# Altium PCB radxa_nx4_io_board_v1.11.PcbDoc (part 6 of 13)
Units mil, origin at the board's own origin, x right, y up, seen from the top; angles counter-clockwise.
Board outline 3937.01 x 3110.23 mil, 6 copper layers (TOP, GND02, ART03, ART04, GND05, BOTTOM), stack 47.2 mil thick; 639 components, 522 nets, 2442 pads, 1896 vias.
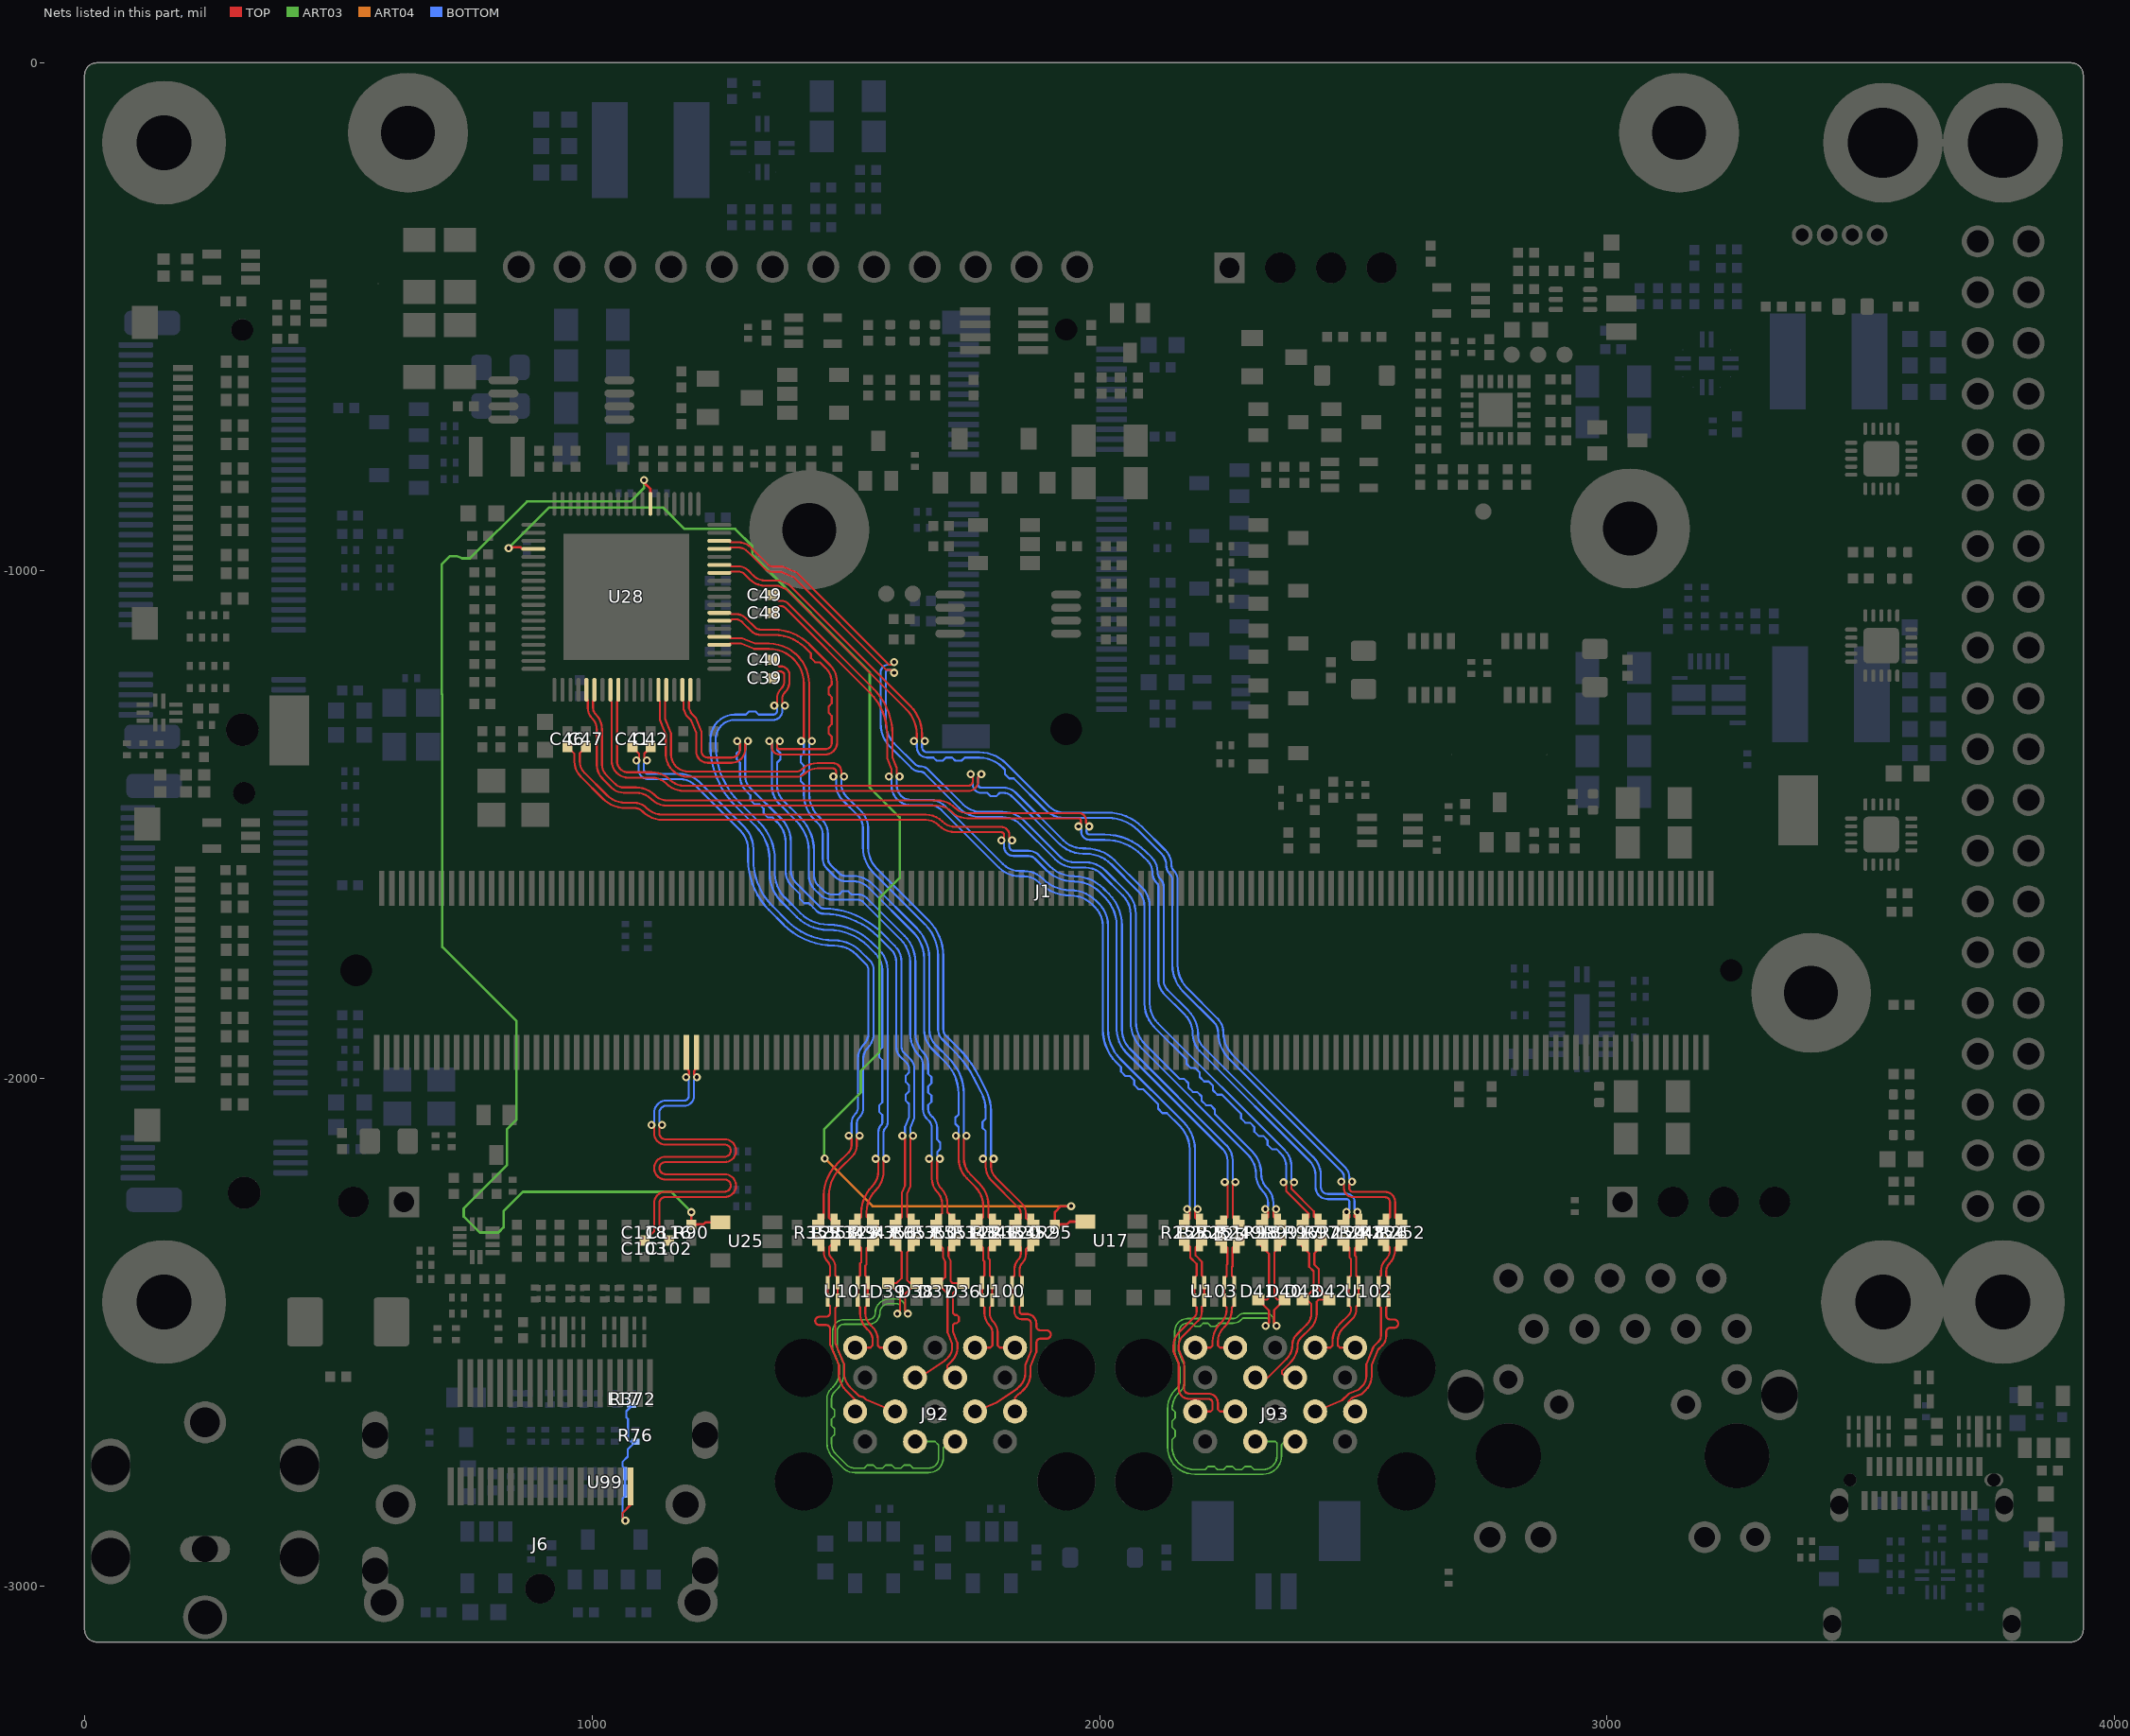
[diagram p10: the nets of this part, all layers, seen from the top]

## Via types
v1: diameter 16, hole 8, TOP to BOTTOM, 1896 vias

## Nets (pads, with @x,y where several pads share a name; then routed paths per layer and width w, separated by ;. In a path a pad name is that pad's centre, name@x,y a point inside that pad or via, vN(x,y) a via of type N, cw(c..) or ccw(c..) an arc to the next point about the centre after c; other vN are vias at no path point) (continued)
HDMI_TXD2_CON_P: J6.1 L17.3 R76.1 R372.2 U99.1 U99.10 | length 338.6
  TOP w4.06: v1(1066.02,-2871.52) 1060.67,-2866.17 1060.67,-2856 1076.3,-2840.37 J6.1@1076.3,-2804.28
  BOTTOM w4.06: v1(1066.02,-2871.52) 1060.7,-2866.2 1060.7,-2827.29 1065.37,-2822.62 U99.1@1065.37,-2813.22 U99.10@1065.37,-2778.78 1065.37,-2769.38 1060.7,-2764.71 1060.7,-2755.3 1070.68,-2745.32 1070.68,-2731.13 R76.1@1086,-2715.81 1075.81,-2715.81 1071.09,-2711.09 1071.09,-2671.09 1068,-2668 1068,-2655.81 R372.2@1080,-2643.81
HDMI_TXD2_N: C103.2 C118.1 J1.63 | length 988.6
  TOP w4.06: C103.2@1104,-2320.25 1122.64,-2301.61 1122.64,-2246.1 cw(c1145.03,-2246.1) 1145.03,-2223.71 1261.61,-2223.71 ccw(c1261.61,-2211.68) 1261.61,-2199.65 1145.03,-2199.65 cw(c1145.03,-2177.26) 1145.03,-2154.87 1261.61,-2154.87 ccw(c1261.61,-2142.84) 1261.61,-2130.81 1145.03,-2130.81 cw(c1145.03,-2108.42) 1122.64,-2108.42 1122.64,-2097.32 v1(1117.32,-2092) ; v1(1185.75,-1998.03) 1191.07,-1992.71 1191.07,-1985.4 1186.41,-1980.74 J1.63@1186.41,-1948.92
  BOTTOM w4.06: v1(1117.32,-2092) 1122.64,-2086.68 1122.64,-2068 cw(c1146.64,-2068) 1146.64,-2044 1182.18,-2044 ccw(c1182.18,-2035.54) 1190.64,-2035.54 1190.64,-2002.92 v1(1185.75,-1998.03)
HDMI_TXD2_P: C102.2 C116.1 J1.65 | length 988.6
  TOP w4.06: v1(1138.32,-2092) 1133,-2097.32 1133,-2108.42 ccw(c1145.03,-2108.42) 1145.03,-2120.45 1261.61,-2120.45 cw(c1261.61,-2142.84) 1261.61,-2165.23 1145.03,-2165.23 ccw(c1145.03,-2177.26) 1145.03,-2189.29 1261.61,-2189.29 cw(c1261.61,-2211.68) 1261.61,-2234.07 1145.03,-2234.07 ccw(c1145.03,-2246.1) 1133,-2246.1 1133,-2300.75 C116.1@1152,-2319.75 ; J1.65@1206.09,-1948.92 1206.09,-1980.74 1201.43,-1985.4 1201.43,-1992.71 v1(1206.75,-1998.03)
  BOTTOM w4.06: v1(1138.32,-2092) 1133,-2086.68 1133,-2068 cw(c1146.64,-2068) 1146.64,-2054.36 1182.18,-2054.36 ccw(c1182.18,-2035.54) 1201,-2035.54 1201,-2003.78 v1(1206.75,-1998.03)
HUB1_DM: L5.3 R350.1 U28.8 | length 1699.1
  TOP w4.06: U28.8@1251.07,-1083.5 1271.5,-1083.5 1274.19,-1086.19 1285.36,-1086.19 cw(c1285.36,-1108.65) 1296,-1088.87 cw(c1279.67,-1119.26) 1304.06,-1094.86 1321,-1111.8 ccw(c1332.54,-1100.26) 1332.54,-1116.58 1358.4,-1116.58 cw(c1358.4,-1215.51) 1428.36,-1145.56 1468.41,-1185.61 cw(c1433.32,-1220.69) 1482.94,-1220.7 1482.94,-1339.43 cw(c1459.98,-1339.43) 1459.98,-1362.39 1369.06,-1362.39 cw(c1369.06,-1347.97) 1354.64,-1347.97 1354.64,-1341.32 v1(1349.32,-1336) ; v1(1664.32,-2158.75) 1669.64,-2164.07 1669.64,-2197.61 ccw(c1708.34,-2197.6) 1681.32,-2225.3 cw(c1660.09,-2245.84) 1689.63,-2245.86 1689.64,-2266.37 1676,-2280.01 R350.1@1676,-2288.25
  BOTTOM w4.06: v1(1349.32,-1336) 1354.64,-1341.32 1354.64,-1425.15 ccw(c1403.27,-1425.16) 1368.88,-1459.54 1402.64,-1493.3 cw(c1343.01,-1552.93) 1427.34,-1552.92 1427.34,-1601.26 ccw(c1464.21,-1601.27) 1438.14,-1627.34 1448.65,-1637.85 ccw(c1474.56,-1611.93) 1474.57,-1648.58 1524.52,-1648.58 cw(c1524.51,-1662.24) 1534.18,-1652.59 1608.51,-1726.92 cw(c1563.93,-1771.49) 1626.97,-1771.49 1626.97,-1911.87 ccw(c1690.16,-1911.87) 1642.45,-1953.3 1642.45,-1953.53 1645.48,-1956.56 cw(c1629.41,-1972.65) 1652.15,-1972.64 1652.15,-2061.21 ccw(c1678.58,-2061.2) 1659.89,-2079.89 1664,-2084 cw(c1650.4,-2097.61) 1669.64,-2097.61 1669.64,-2153.43 v1(1664.32,-2158.75)
HUB1_DM_J25: D37.1 J92.11 L5.2 R350.2 | length 336.3
  TOP w4.06: J92.11@1636.63,-2589.62 1660.32,-2579.8 1694.1,-2557.23 1702.28,-2549.05 ccw(c1684.51,-2531.3) 1709.63,-2531.29 1709.64,-2522.8 1700.64,-2501.07 1700.64,-2423.99 D37.1@1680.41,-2403.76 ; R350.2@1676,-2319.75 1692,-2335.75 1692,-2352.44 1696,-2362.11 1696,-2392 1684.24,-2403.76 D37.1@1680.41,-2403.76 ; D37.1@1679.51,-2403.76 D37.1@1680.41,-2403.76
HUB1_DP: L5.4 R351.1 U28.7 | length 1697.5
  TOP w4.06: U28.7@1251.07,-1099.24 1272.76,-1099.24 1275.45,-1096.55 1285.36,-1096.55 cw(c1285.35,-1108.65) 1291.09,-1098 cw(c1279.67,-1119.26) 1296.73,-1102.19 1313.67,-1119.13 ccw(c1332.53,-1100.26) 1332.54,-1126.94 1358.4,-1126.94 cw(c1358.39,-1215.51) 1421.03,-1152.89 1431.31,-1163.17 1431.31,-1172.09 1439.92,-1180.7 1448.84,-1180.7 1461.08,-1192.94 cw(c1433.32,-1220.7) 1472.58,-1220.7 1472.58,-1224.87 1466.28,-1231.17 1466.28,-1243.35 1472.58,-1249.65 1472.58,-1261.81 1466.28,-1268.11 1466.28,-1280.29 1472.58,-1286.59 1472.58,-1302.49 1466.28,-1308.79 1466.28,-1320.97 1472.58,-1327.27 1472.58,-1339.43 cw(c1459.98,-1339.43) 1459.98,-1352.03 1369.06,-1352.03 cw(c1369.06,-1347.97) 1365,-1347.97 1365,-1341.32 v1(1370.32,-1336) ; v1(1685.32,-2158.75) 1680,-2164.07 1680,-2197.6 ccw(c1708.34,-2197.59) 1688.31,-2217.64 cw(c1660.1,-2245.85) 1700,-2245.86 1700,-2264.01 1716,-2280.01 R351.1@1716,-2288.25
  BOTTOM w4.06: v1(1370.32,-1336) 1365,-1341.32 1365,-1353.49 1371.3,-1359.79 1371.3,-1371.97 1365,-1378.27 1365,-1425.15 ccw(c1403.27,-1425.15) 1376.21,-1452.21 1409.97,-1485.97 cw(c1343.01,-1552.92) 1437.7,-1552.91 1437.7,-1601.26 ccw(c1464.21,-1601.26) 1445.47,-1620.01 1455.98,-1630.52 ccw(c1474.57,-1611.93) 1474.57,-1638.22 1486.74,-1638.22 1493.04,-1631.92 1505.22,-1631.92 1511.52,-1638.22 1524.52,-1638.22 cw(c1524.52,-1662.24) 1541.51,-1645.26 1615.84,-1719.59 cw(c1563.93,-1771.48) 1637.33,-1771.49 1637.33,-1911.86 ccw(c1690.15,-1911.85) 1650.28,-1946.5 ccw(c1690.2,-1911.91) 1652.81,-1949.22 ; 1652.81,-1949.23 cw(c1629.41,-1972.64) 1662.51,-1972.64 1662.51,-1991.32 1668.81,-1997.62 1668.81,-2009.8 1662.51,-2016.1 1662.51,-2028.26 1668.81,-2034.56 1668.81,-2046.74 1662.51,-2053.04 1662.51,-2061.2 ccw(c1678.58,-2061.19) 1667.22,-2072.56 1671.33,-2076.67 cw(c1650.4,-2097.6) 1680,-2097.6 1680,-2120.64 1686.3,-2126.94 1686.3,-2139.12 1680.79,-2144.63 1680.79,-2154.22 v1(1685.32,-2158.75)
HUB1_DP_J25: D36.1 J92.12 L5.1 R351.2 | length 336.6
  TOP w4.06: J92.12@1715.37,-2589.62 1700,-2574.25 1700,-2565.99 1709.61,-2556.38 ccw(c1684.52,-2531.29) 1720,-2531.29 1720,-2520.73 1711,-2499 1711,-2486.61 1715.06,-2482.55 1718.94,-2482.55 1723,-2478.49 1723,-2470.37 1718.94,-2466.31 1715.06,-2466.31 1711,-2462.25 1711,-2423.37 D36.1@1730.61,-2403.76 ; R351.2@1716,-2319.75 1702.36,-2333.39 1702.36,-2350.38 1706.36,-2360.05 1706.36,-2399.7 1710.42,-2403.76 D36.1@1730.61,-2403.76 ; D36.1@1731.51,-2403.76 D36.1@1730.61,-2403.76
HUB1_PWR_EN: R90.1 U25.4 U28.26 | length 2532.9
  TOP w5: v1(1102.78,-821.86) 1102.78,-826.78 1115.24,-839.24 U28.26@1115.24,-868.93 ; v1(1196,-2264) R90.1@1196,-2288.25 1219.76,-2288.25 1224.17,-2283.84 U25.4@1253.05,-2283.84
  ART03 w5: v1(1102.78,-821.86) 1102.78,-837.22 1076,-864 872,-864 760,-976 743.97,-976 734.32,-972 720,-972 704,-988 704,-1243.14 705.33,-1244.47 705.33,-1741.49 851.5,-1887.66 851.5,-2081.8 832.84,-2100.46 832.84,-2171.16 747.63,-2256.37 747.63,-2272.59 779.04,-2304 816,-2304 825.98,-2294.02 825.98,-2262.02 864,-2224 1156,-2224 v1(1196,-2264)
HUB1_SSRX_N: L22.4 R346.1 U28.5 | length 1455.1
  TOP w4.06: U28.5@1251.07,-1130.74 1270.75,-1130.74 1273.45,-1133.44 1295.94,-1133.44 1296,-1133.46 1321.42,-1144 1348.5,-1144 cw(c1348.5,-1223.5) 1428,-1223.5 1428,-1330.68 v1(1433.32,-1336) ; v1(1738.03,-2113.75) 1732.71,-2119.07 1732.71,-2157.72 ccw(c1778.56,-2157.72) 1746.14,-2190.14 1762.59,-2206.59 cw(c1717.71,-2251.47) 1781.18,-2251.47 1781.18,-2273.43 R346.1@1796,-2288.25
  BOTTOM w4.06: v1(1433.32,-1336) 1428,-1341.32 1428,-1440.82 ccw(c1488.74,-1440.81) 1445.79,-1483.76 1453.91,-1491.88 cw(c1426.85,-1518.94) 1465.12,-1518.95 1465.12,-1567.97 ccw(c1481.43,-1567.96) 1469.9,-1579.5 1486.74,-1596.34 ccw(c1499.53,-1583.56) 1499.53,-1601.64 1513.36,-1601.64 cw(c1513.37,-1657.95) 1553.18,-1618.13 1640.46,-1705.41 cw(c1581.82,-1764.05) 1664.75,-1764.06 1664.75,-1904.02 ccw(c1709.05,-1904.02) 1677.73,-1935.35 1704.08,-1961.7 cw(c1634.96,-2030.82) 1732.71,-2030.82 1732.71,-2108.43 v1(1738.03,-2113.75)
HUB1_SSRX_N_J25: J92.14 L22.1 R346.2 U100.4 U100.7 | length 257.8
  TOP w4.06: R346.2@1796,-2319.75 1781.18,-2334.57 1781.18,-2354.51 1783.65,-2356.98 1783.65,-2388.65 1788.32,-2393.32 U100.4@1788.32,-2402.78 U100.7@1788.32,-2437.22 1788.32,-2446.67 1783.66,-2451.33 1783.66,-2462.28 ccw(c1809.56,-2462.27) 1791.25,-2480.59 cw(c1771.89,-2499.98) 1799.29,-2499.98 1799.29,-2526.51 1803.35,-2530.57 J92.14@1833.48,-2530.57
HUB1_SSRX_P: L22.3 R348.1 U28.4 | length 1454.5
  TOP w4.06: U28.4@1251.07,-1146.49 1269.52,-1146.49 1272.21,-1143.8 1293.86,-1143.8 1296,-1144.69 1319.36,-1154.36 1348.5,-1154.36 cw(c1348.5,-1223.5) 1417.64,-1223.5 1417.64,-1330.68 v1(1412.32,-1336) ; v1(1717.03,-2113.75) 1722.35,-2119.07 1722.35,-2157.72 ccw(c1778.56,-2157.73) 1738.81,-2197.47 1755.26,-2213.92 cw(c1717.71,-2251.48) 1770.82,-2251.47 1770.82,-2273.43 R348.1@1756,-2288.25
  BOTTOM w4.06: v1(1412.32,-1336) 1417.64,-1341.32 1417.64,-1359.62 1411.34,-1365.92 1411.34,-1378.09 1417.64,-1384.39 1417.64,-1396.55 1411.34,-1402.85 1411.34,-1415.03 1417.64,-1421.33 1417.64,-1440.82 ccw(c1488.74,-1440.82) 1438.46,-1491.09 1446.58,-1499.21 cw(c1426.85,-1518.95) 1454.76,-1518.95 1454.76,-1567.97 ccw(c1481.44,-1567.97) 1462.57,-1586.83 1479.41,-1603.67 ccw(c1499.52,-1583.55) 1499.53,-1612 1513.36,-1612 cw(c1513.36,-1657.94) 1545.85,-1625.46 1633.13,-1712.74 cw(c1581.82,-1764.06) 1654.39,-1764.06 1654.39,-1904.02 ccw(c1709.05,-1904.03) 1670.4,-1942.68 1696.75,-1969.03 cw(c1634.96,-2030.83) 1722.35,-2030.82 1722.35,-2071.49 1716.05,-2077.79 1716.05,-2089.97 1722.35,-2096.27 1722.35,-2108.43 v1(1717.03,-2113.75)
HUB1_SSRX_P_J25: J92.15 L22.2 R348.2 U100.5 U100.6 | length 257.8
  TOP w4.06: J92.15@1754.74,-2530.57 1784.87,-2530.57 1788.93,-2526.51 1788.93,-2499.98 ccw(c1771.89,-2499.99) 1783.93,-2487.93 ; R348.2@1756,-2319.75 1770.82,-2334.57 1770.82,-2358.81 1773.29,-2361.28 1773.29,-2388.71 1768.63,-2393.37 U100.5@1768.63,-2402.78 U100.6@1768.63,-2437.22 1768.63,-2446.62 1773.3,-2451.29 1773.3,-2462.29 ccw(c1809.56,-2462.28) 1783.92,-2487.92
HUB1_SSTX_N: C40.2 L23.4 R347.1 | length 1431.7
  TOP w4.06: C40.2@1355.75,-1176 1368.57,-1188.82 1372,-1188.82 cw(c1372,-1206.18) 1389.36,-1206.18 1389.36,-1217.95 cw(c1357.85,-1217.95) 1380.13,-1240.23 ccw(c1392.3,-1252.42) 1375.07,-1252.44 1375.07,-1260.67 v1(1380.39,-1265.99) ; R347.1@1556,-2288.25 1541.18,-2273.43 1541.18,-2263.59 cw(c1600.98,-2263.59) 1558.7,-2221.3 ; 1558.73,-2221.27 ccw(c1520.48,-2183.01) 1574.58,-2183.01 1574.58,-2164.07 v1(1579.9,-2158.75)
  BOTTOM w4.06: v1(1380.39,-1265.99) 1375.07,-1271.31 1375.07,-1276.49 cw(c1357.24,-1276.49) 1357.24,-1294.32 1281.68,-1294.32 ccw(c1281.68,-1332) 1244,-1332 1244,-1345.65 ccw(c1400.17,-1345.64) 1289.74,-1456.07 1330.06,-1496.39 cw(c1256.58,-1569.86) 1360.49,-1569.87 1360.49,-1597.39 ccw(c1426.25,-1597.39) 1379.76,-1643.9 1410.82,-1674.96 ccw(c1465.57,-1620.22) 1465.57,-1697.64 ; 1465.58,-1697.64 cw(c1465.58,-1820.09) 1552.16,-1733.5 1566.33,-1747.67 cw(c1527.3,-1786.69) 1582.49,-1786.68 1582.49,-2087.14 cw(c1565.63,-2087.14) 1577.57,-2099.04 ccw(c1584.73,-2106.24) 1574.58,-2106.22 1574.58,-2153.43 v1(1579.9,-2158.75)
HUB1_SSTX_N_J25: J92.17 L23.1 R347.2 U101.1 U101.10 | length 261
  TOP w4.06: R347.2@1556,-2319.75 1541.18,-2334.57 1541.18,-2366.81 1538.7,-2369.29 1538.7,-2388.59 1543.37,-2393.26 U101.1@1543.37,-2402.78 U101.10@1543.37,-2437.22 1543.37,-2446.63 1538.71,-2451.29 1538.71,-2462.72 ccw(c1570.91,-2462.71) 1548.15,-2485.49 1553.53,-2490.87 cw(c1530.5,-2513.9) 1563.07,-2513.9 1563.07,-2526.51 1567.13,-2530.57 J92.17@1597.26,-2530.57
HUB1_SSTX_P: C39.2 L23.3 R349.1 | length 1432.4
  TOP w4.06: C39.2@1355.75,-1212 1355.75,-1209.68 1366.25,-1199.18 1372,-1199.18 cw(c1372,-1206.18) 1379,-1206.18 1379,-1217.95 cw(c1357.86,-1217.94) 1372.8,-1232.9 ccw(c1392.3,-1252.42) 1364.71,-1252.45 1364.71,-1260.67 v1(1359.39,-1265.99) ; R349.1@1516,-2288.25 1530.82,-2273.43 1530.82,-2263.59 cw(c1600.98,-2263.58) 1551.37,-2213.97 ; 1551.4,-2213.94 ccw(c1520.48,-2183) 1564.22,-2183.01 1564.22,-2164.07 v1(1558.9,-2158.75)
  BOTTOM w4.06: v1(1359.39,-1265.99) 1364.71,-1271.31 1364.71,-1276.49 cw(c1357.24,-1276.49) 1357.24,-1283.96 1328.39,-1283.96 1322.09,-1277.66 1309.91,-1277.66 1303.61,-1283.96 1281.68,-1283.96 ccw(c1281.68,-1332) 1233.64,-1332 1233.64,-1345.65 ccw(c1400.17,-1345.65) 1282.41,-1463.4 1322.73,-1503.72 cw(c1256.58,-1569.87) 1350.13,-1569.87 1350.13,-1597.4 ccw(c1426.26,-1597.4) 1372.43,-1651.23 1403.49,-1682.29 ccw(c1465.56,-1620.21) 1465.57,-1708 ; 1465.58,-1708 cw(c1465.57,-1820.09) 1544.83,-1740.83 1559,-1755 cw(c1527.3,-1786.7) 1572.13,-1786.69 1572.13,-1939.62 1565.83,-1945.92 1565.83,-1958.09 1572.13,-1964.39 1572.13,-2047.62 1565.83,-2053.92 1565.83,-2066.09 1572.13,-2072.39 1572.13,-2087.13 cw(c1565.63,-2087.12) 1570.23,-2091.71 ccw(c1584.74,-2106.22) 1564.22,-2106.22 1564.22,-2153.43 v1(1558.9,-2158.75)
HUB1_SSTX_P_J25: J92.18 L23.2 R349.2 U101.2 U101.9 | length 261
  TOP w4.06: R349.2@1516,-2319.75 1530.82,-2334.57 1530.82,-2362.51 1528.34,-2364.99 1528.34,-2388.59 1523.68,-2393.25 U101.2@1523.68,-2402.78 U101.9@1523.68,-2437.22 1523.68,-2446.68 1528.35,-2451.35 1528.35,-2462.73 ccw(c1570.91,-2462.72) 1540.82,-2492.82 1546.2,-2498.2 cw(c1530.51,-2513.91) 1552.71,-2513.9 1552.71,-2526.51 1548.65,-2530.57 J92.18@1518.52,-2530.57
HUB2_DM: L6.3 R356.1 U28.75 | length 1401.6
  TOP w4.06: U28.75@1193.98,-1235.07 1193.98,-1256.02 1191.1,-1258.9 1191.1,-1270.76 1195.12,-1280.46 1204.46,-1289.8 1216,-1317.66 1216,-1356.37 ccw(c1228.21,-1356.37) 1228.21,-1368.58 1275.06,-1368.58 ccw(c1275.06,-1352) 1291.64,-1352 1291.64,-1341.29 v1(1286.32,-1335.97) ; R356.1@1596,-2288.25 1610.82,-2273.43 1610.82,-2225.74 1616.93,-2210.98 1616.93,-2119.07 v1(1611.61,-2113.75)
  BOTTOM w4.06: v1(1286.32,-1335.97) 1291.64,-1341.29 1291.64,-1353.46 1285.34,-1359.76 1285.34,-1371.94 1291.64,-1378.24 1291.64,-1405.3 ccw(c1332.85,-1405.3) 1303.71,-1434.44 1312.31,-1443.04 1312.31,-1451.96 1320.91,-1460.56 1329.83,-1460.56 1338.43,-1469.16 1338.43,-1478.08 1347.03,-1486.68 1355.95,-1486.68 1365.78,-1496.51 cw(c1327.5,-1534.8) 1381.64,-1534.79 1381.64,-1591.9 ccw(c1424.45,-1591.91) 1394.17,-1622.17 1409.89,-1637.89 1409.89,-1646.81 1418.49,-1655.41 1427.41,-1655.41 1436.01,-1664.01 1442.39,-1670.38 ccw(c1455.98,-1656.79) 1455.85,-1676.01 cw(c1453.98,-1832.48) 1482.07,-1678.54 cw(c1453.98,-1832.48) 1564.63,-1721.83 1589.11,-1746.31 cw(c1563.89,-1771.52) 1599.55,-1771.52 1599.55,-1938.88 ccw(c1625.02,-1938.88) 1607.01,-1956.89 1620.33,-1970.2 cw(c1609.71,-1980.82) 1624.73,-1980.82 1624.73,-1988.99 1618.43,-1995.29 1618.43,-2007.47 1624.73,-2013.77 1624.73,-2025.93 1618.43,-2032.23 1618.43,-2044.41 1624.73,-2050.71 1624.73,-2076.58 1616.93,-2095.42 1616.93,-2108.43 v1(1611.61,-2113.75)
HUB2_DM_J25: D39.1 J92.2 L6.2 R356.2 | length 934.7
  TOP w4.06: D39.1@1583.51,-2403.76 D39.1@1584.41,-2403.76 ; R356.2@1596,-2319.75 1596,-2327.99 1610.33,-2342.32 1610.33,-2393.66 1600.23,-2403.76 D39.1@1584.41,-2403.76 ; v1(1601.5,-2464) 1607,-2458.5 1607,-2426.35 D39.1@1584.41,-2403.76
  ART03 w3.15: 1567.14,-2462.68 cw(c1545.18,-2462.68) 1545.18,-2484.64 1496.81,-2484.64 ccw(c1496.81,-2497.93) 1483.52,-2497.93 1483.52,-2533.18 1496,-2563.32 1496,-2581.4 cw(c1451.08,-2581.39) 1482.84,-2613.16 1477.46,-2618.54 ccw(c1490.64,-2631.72) 1472,-2631.72 1472,-2647.9 1477.91,-2653.81 1477.91,-2665.99 1472,-2671.9 1472,-2684.08 1477.91,-2689.99 1477.91,-2702.17 1472,-2708.08 1472,-2718.69 ccw(c1504.13,-2718.69) 1481.41,-2741.41 1500.85,-2760.84 ccw(c1518.16,-2743.5) 1518.15,-2768 1536.44,-2768 1542.35,-2762.09 1554.53,-2762.09 1560.44,-2768 1572.62,-2768 1578.53,-2762.09 1590.71,-2762.09 1596.62,-2768 1608.8,-2768 1614.71,-2762.09 1626.89,-2762.09 1632.8,-2768 1663.47,-2768 ccw(c1663.47,-2748.53) 1682.94,-2748.53 1682.94,-2722.76 1675.79,-2715.61 J92.2@1636.63,-2715.61 ; 1567.14,-2462.67 cw(c1585.81,-2462.67) 1585.81,-2444 1600.32,-2444 cw(c1600.32,-2451.15) 1607.47,-2451.15 1607.47,-2458.03 v1(1601.5,-2464)
HUB2_DP: L6.4 R357.1 U28.74 | length 1402.6
  TOP w4.06: U28.74@1178.24,-1235.07 1178.24,-1256.24 1180.74,-1258.74 1180.74,-1272.83 1186.33,-1286.33 1195.67,-1295.67 1205.64,-1319.73 1205.64,-1356.37 ccw(c1228.21,-1356.37) 1228.21,-1378.94 1275.06,-1378.94 ccw(c1275.06,-1352) 1302,-1352 1302,-1341.29 v1(1307.32,-1335.97) ; v1(1632.61,-2113.75) 1627.29,-2119.07 1627.29,-2213.04 1621.18,-2227.8 1621.18,-2273.43 R357.1@1636,-2288.25
  BOTTOM w4.06: v1(1307.32,-1335.97) 1302,-1341.29 1302,-1405.3 ccw(c1332.85,-1405.29) 1311.04,-1427.11 1373.11,-1489.18 cw(c1327.49,-1534.79) 1392,-1534.79 1392,-1591.9 ccw(c1424.45,-1591.9) 1401.5,-1614.84 1449.72,-1663.05 ccw(c1455.99,-1656.79) 1455.98,-1665.65 cw(c1453.98,-1832.48) 1483.94,-1668.34 cw(c1453.99,-1832.49) 1571.96,-1714.5 1596.44,-1738.98 cw(c1563.89,-1771.51) 1609.91,-1771.52 1609.91,-1938.89 ccw(c1625.02,-1938.88) 1614.34,-1949.56 1627.66,-1962.87 cw(c1609.7,-1980.81) 1635.09,-1980.81 1635.09,-2078.64 1627.29,-2097.48 1627.29,-2108.43 v1(1632.61,-2113.75)
HUB2_DP_J25: D38.1 J92.3 L6.1 R357.2 | length 935.2
  TOP w4.06: v1(1622.5,-2464) 1617.36,-2458.86 1617.36,-2425.01 D38.1@1638.61,-2403.76 ; R357.2@1636,-2319.75 1636,-2327.99 1620.69,-2343.3 1620.69,-2397.7 1626.75,-2403.76 D38.1@1638.61,-2403.76 ; D38.1@1639.51,-2403.76 D38.1@1638.61,-2403.76
  ART03 w3.15: 1558.08,-2462.68 cw(c1545.18,-2462.68) 1545.18,-2475.58 1496.81,-2475.58 ccw(c1496.81,-2497.93) 1474.46,-2497.93 1474.46,-2534.99 1486.94,-2565.13 1486.94,-2581.39 cw(c1451.08,-2581.39) 1476.43,-2606.75 1471.05,-2612.13 ccw(c1490.64,-2631.71) 1462.94,-2631.71 1462.94,-2718.69 ccw(c1504.14,-2718.7) 1475,-2747.82 1494.44,-2767.26 ccw(c1518.14,-2743.5) 1518.14,-2777.06 1663.47,-2777.06 ccw(c1663.47,-2748.53) 1692,-2748.53 1692,-2728 1704.39,-2715.61 J92.3@1715.37,-2715.61 ; 1558.08,-2462.67 cw(c1585.81,-2462.67) 1585.81,-2434.94 1600.32,-2434.94 cw(c1600.32,-2451.15) 1616.53,-2451.15 1616.53,-2458.03 v1(1622.5,-2464)
HUB2_PWR_EN: R95.1 U17.4 U28.42 | length 2631.8
  TOP w5: v1(836,-956) 837.55,-954.45 859.69,-954.45 862.75,-957.51 U28.42@884.93,-957.51 ; v1(1944,-2252) 1924,-2252 1912,-2264 R95.1@1912,-2288.25 1935.76,-2288.25 1941.41,-2282.6 U17.4@1971.82,-2282.6
  ART03 w5: v1(836,-956) 916,-876 1140,-876 1182,-918 1282,-918 1316,-952 1316,-969 1547.53,-1200.53 1547.53,-1427.53 1606.45,-1486.45 1606.45,-1605.55 1566.3,-1645.7 1566.3,-1948.93 1529.6,-1985.63 1529.6,-2028.25 1457.27,-2100.58 1457.27,-2156.61 v1(1458.81,-2158.15)
  ART04 w5: v1(1458.81,-2158.15) 1552.66,-2252 v1(1944,-2252)
HUB2_SSRX_N: L20.4 R352.1 U28.72 | length 1538.7
  TOP w4.06: U28.72@1146.74,-1235.07 1146.74,-1254.27 1144.05,-1256.96 1144.05,-1292.14 1155.59,-1320 1156,-1320.99 1156,-1362.54 ccw(c1189.46,-1362.54) 1189.46,-1396 1403.9,-1396 ccw(c1403.89,-1382.85) 1413.2,-1392.14 cw(c1443.84,-1422.79) 1443.85,-1379.45 1474.81,-1379.45 cw(c1474.81,-1396) 1491.36,-1396 1491.36,-1400.65 v1(1496.68,-1405.97) ; v1(1791.42,-2158.75) 1786.1,-2164.07 1786.1,-2173.7 ccw(c1816.04,-2173.7) 1794.87,-2194.87 1846.94,-2246.94 cw(c1827.03,-2266.84) 1855.18,-2266.84 1855.18,-2275.43 1868,-2288.25 R352.1@1872,-2288.25
  BOTTOM w4.06: v1(1496.68,-1405.97) 1491.36,-1411.27 1491.36,-1420.92 ccw(c1526.24,-1420.91) 1501.58,-1445.58 1531.05,-1475.05 cw(c1499.49,-1506.62) 1544.13,-1506.62 1544.13,-1545.24 ccw(c1604.61,-1545.24) 1561.84,-1588 1663.24,-1689.4 cw(c1593.38,-1759.25) 1692.17,-1759.24 1692.17,-1903.96 ccw(c1709.17,-1903.95) 1697.15,-1915.97 1722.57,-1941.39 cw(c1569.19,-2094.78) 1761.76,-1994.93 1775.69,-2021.81 cw(c1693.35,-2064.5) 1786.1,-2064.5 1786.1,-2153.43 v1(1791.42,-2158.75)
HUB2_SSRX_N_J25: J92.5 L20.1 R352.2 U100.1 U100.10 | length 430.5
  TOP w4.06: J92.5@1833.48,-2656.55 1833.48,-2628.97 1839.36,-2623.09 1844.05,-2619.96 1850.86,-2613.15 ccw(c1819.14,-2581.43) 1864,-2581.43 1864,-2567.31 1875.49,-2539.57 1875.49,-2521.08 cw(c1883.61,-2521.08) 1883.61,-2512.96 1895.88,-2512.96 ccw(c1895.88,-2504.84) 1895.88,-2496.72 1883.61,-2496.72 cw(c1883.61,-2488.6) 1875.49,-2488.6 1875.49,-2483.49 ccw(c1856.46,-2483.49) 1856.46,-2464.46 1846.76,-2464.46 cw(c1846.76,-2460.4) 1842.7,-2460.4 1842.7,-2450.41 1847.37,-2445.74 U100.10@1847.37,-2437.22 U100.1@1847.37,-2402.78 1847.37,-2393.37 1842.71,-2388.71 1842.71,-2376.34 cw(c1859.77,-2376.35) 1847.71,-2364.28 ; 1847.72,-2364.27 ccw(c1829.71,-2346.26) 1855.18,-2346.26 1855.18,-2336.57 R352.2@1872,-2319.75